# KiCad board JumperlessRev1.kicad_pcb (continued)
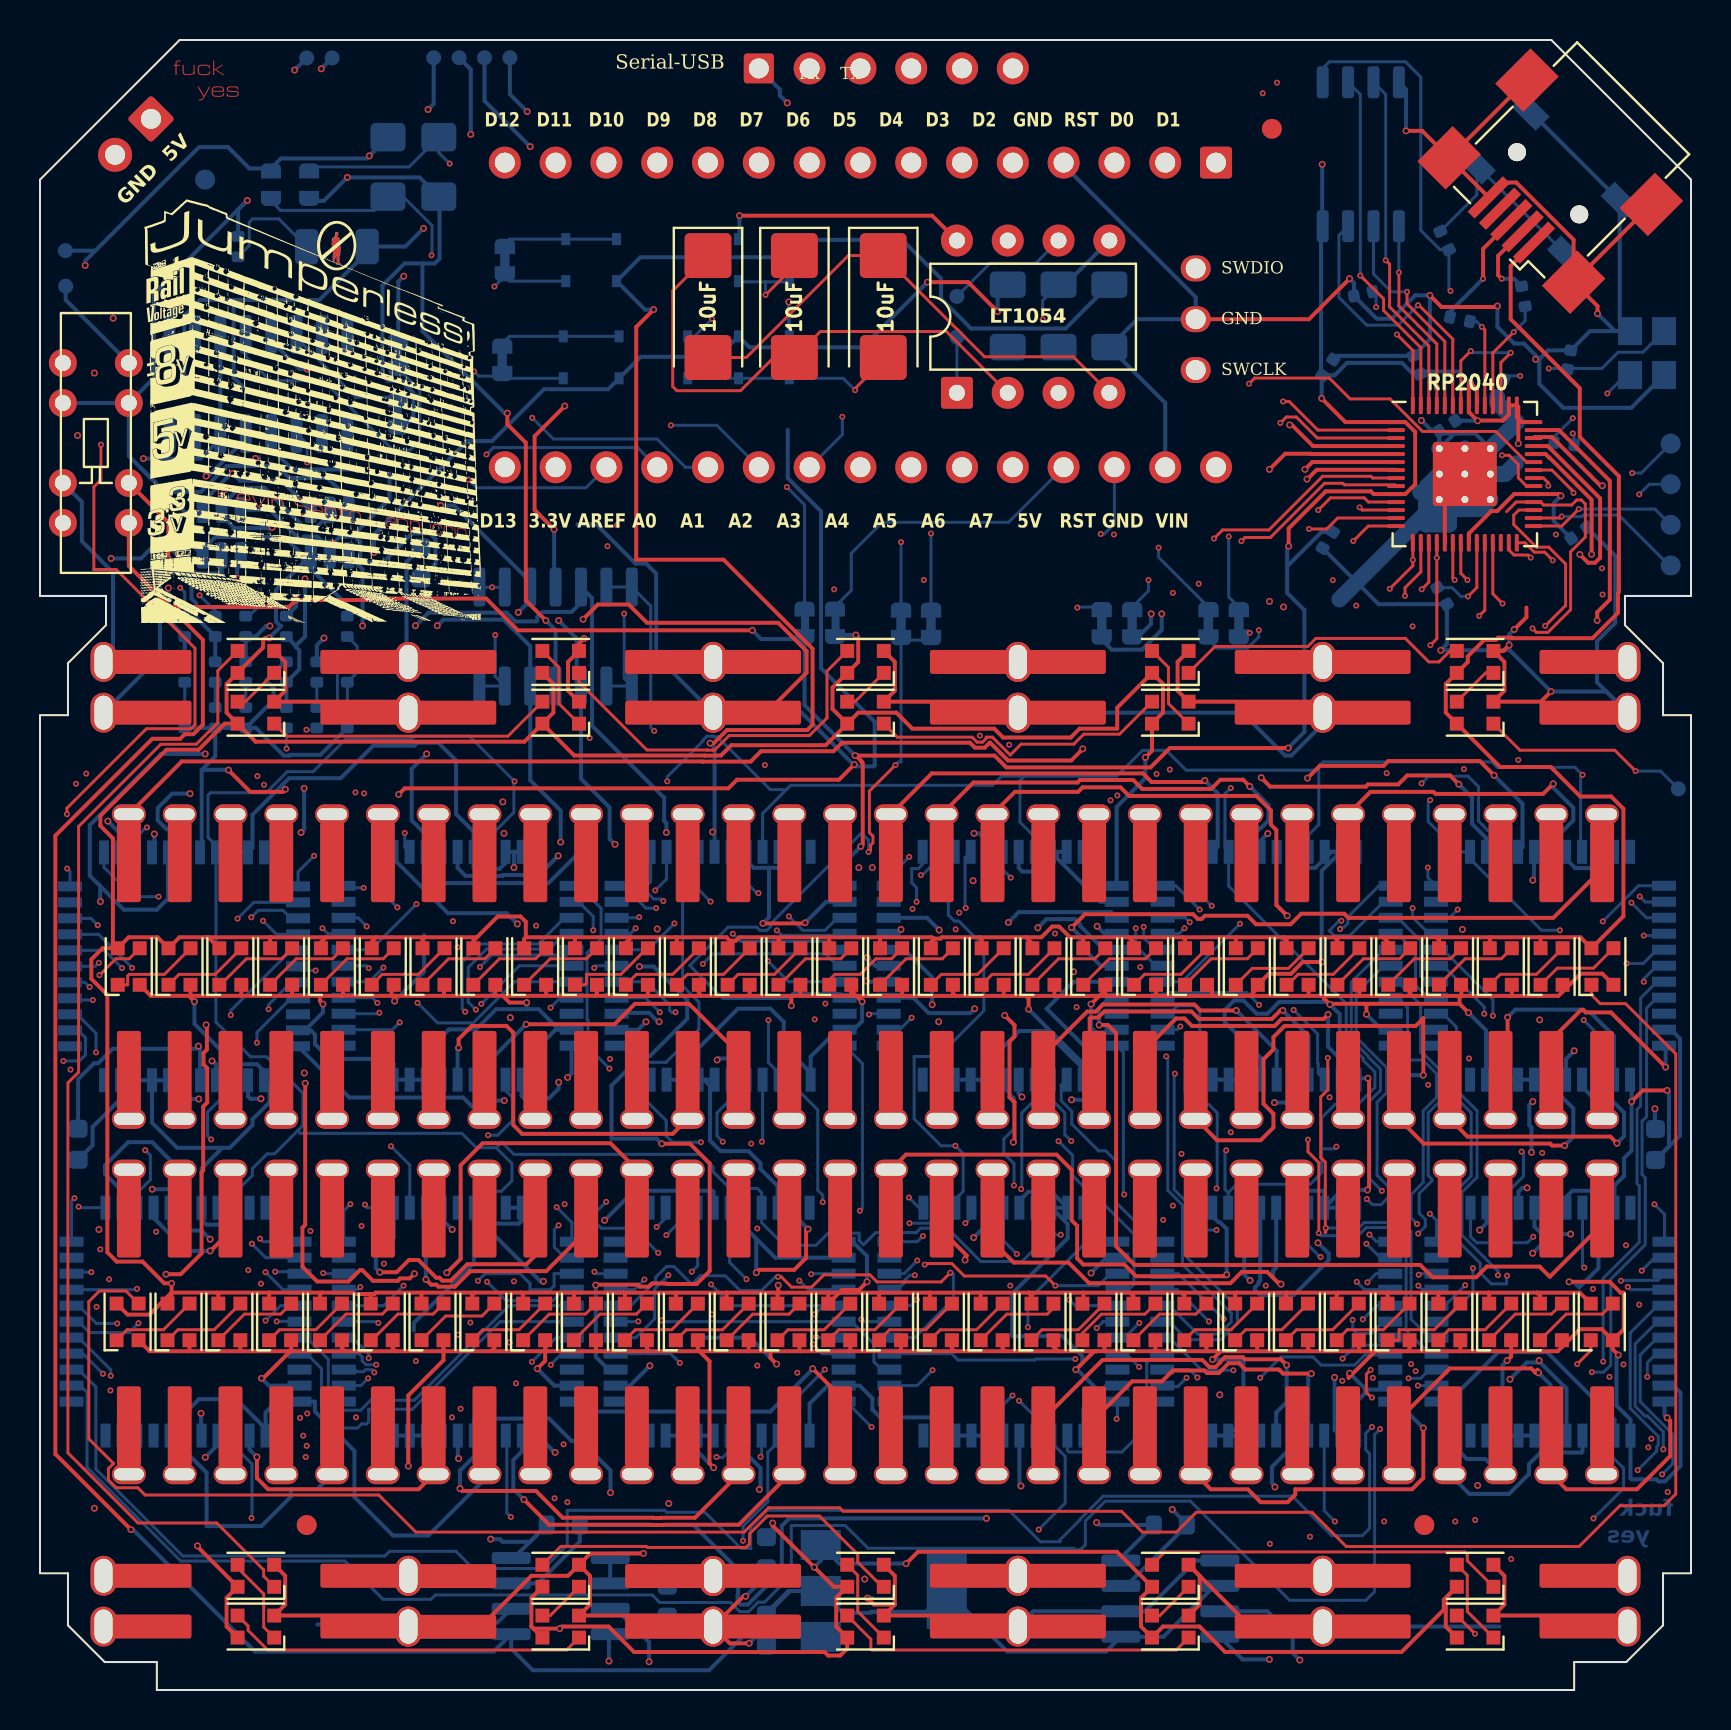
[diagram p0: board, top side]
## Routing (per net, layer and track width the routed paths; a pad name or vN(x,y) marks a point on that pad's centre or on a via; arc(x,y) is an arc through that point) (continued)
  In2.Cu w0.2: J4.46 J4.46
  Bottom w0.2: F5.13 24.09,11.93 23.66,11.5 23.66,10.06 v2(24.2,9.53)
46: length 34.2
  Top w0.2: J4.47 40,14.71 v2(38.63,16.08)
  In2.Cu w0.2: J4.47 J4.47
  Bottom w0.2: v2(38.63,16.08) 38.63,16.05 36.51,13.93 27.09,13.93 F5.11
47: length 40.6
  Top w0.2: J4.48 43.3,26.78 50.83,26.78 51.59,26.02 51.59,23.49 51.86,23.23 51.86,21.6 52.17,21.29 54.22,21.29 54.8,20.7 59.26,20.7 v2(59.33,20.78)
  In2.Cu w0.2: J4.48 42.55,19.09 42.53,19.11 42.53,20.39 42.55,20.41 J4.48
  Bottom w0.2: 58.61,23.72 58.92,23.41 58.99,23.41 59.33,23.07 v2(59.33,20.78)
48: length 41.5
  Top w0.2: J4.49 45.09,22.99 46.34,21.73 46.25,21.64 v2(46.25,21.51)
  In1.Cu w0.2: v2(46.25,21.51) 46.28,21.54 48.55,21.54 48.85,21.23 51.08,21.23 52.26,20.05 60.06,20.05 v2(60.5,20.49)
  In2.Cu w0.2: J4.49 45.09,21.57 43.79,20.27 42.88,20.27 42.88,19.25 43.13,19 43.13,12.75 J4.49
  Bottom w0.2: G1.37 60.21,20.78 v2(60.5,20.49)
49: length 38.7
  Top w0.2: J4.50 47.62,22.45 48.69,21.38 51.43,21.38 52.46,20.35 59.52,20.35 60.09,20.92 61.36,20.92 61.9,20.38 61.98,20.38 v2(62.05,20.3)
  In2.Cu w0.2: J4.50 J4.50
  Bottom w0.2: G1.39 61.81,21.14 61.65,20.98 61.65,20.63 61.9,20.38 61.98,20.38 v2(62.05,20.3)
50: length 35.7
  Top w0.2: J4.51 50.17,13.55 53.13,16.51 58.12,16.51 58.47,16.16 58.78,16.16 59,16.38 59,16.41 59.24,16.65 60.14,16.65 60.25,16.55 62.04,16.55 v2(62.33,16.26)
  In2.Cu w0.2: J4.51 J4.51
  Bottom w0.2: v2(62.33,16.26) 62.33,14.4 61.81,13.88 G1.17
51: length 33.2
  Top w0.2: v2(63.57,15.83) 62.16,15.83 61.95,16.03 60.27,16.03 59.95,16.35 59.43,16.35 58.94,15.86 58.34,15.86 58.22,15.99 56.64,15.99 56.1,15.44 54.61,15.44 52.7,13.54 J4.52
  In2.Cu w0.2: 52.98,25.76 52.98,18.82 52.43,18.28 52.43,11.07
  Bottom w0.2: v2(63.57,15.83) 63.41,15.68 G1.15
52: length 37
  Top w0.2: 55.25,14.12 J4.53
  In1.Cu w0.2: v2(64.73,15.64) 64.44,15.64 63.55,14.76 59,14.76 v2(58.99,14.77)
  In2.Cu w0.2: 55.47,25.81 55.47,17.35 54.23,16.1 54.23,11.81 J4.53 56,10.04 58.51,10.04 59.08,10.62 59.08,14.67 v2(58.99,14.77)
  Bottom w0.2: G1.13 64.73,13.01 v2(64.73,15.64)
53: length 32.7
  Top w0.2: v2(69.16,13.11) 69.16,10.6 68.61,10.04 62.76,10.04 62.76,9.78 62.38,9.4 61.04,9.4 60.39,10.04 58.53,10.04 J4.54
  In2.Cu w0.2: 58.04,25.78 58.04,16.31 58.79,15.56 57.78,14.55 J4.54
  Bottom w0.2: v2(69.16,13.11) 67.84,14.43
54: length 30.6
  In1.Cu w0.2: J4.55 61.87,24.49 65.3,24.49 65.76,24.04 67.29,24.04 67.33,24 67.62,24 68.33,24.71 70.28,24.71 v2(71.98,23.01)
  In2.Cu w0.2: J4.55 60.33,19.8 60.6,20.07 60.68,20.07 60.93,20.32 60.93,20.4 60.95,20.42 60.95,25.41 J4.55
  Bottom w0.2: H1.35 72.32,23.35 v2(71.98,23.01)
55: length 28.4
  In1.Cu w0.2: 63.53,26.03 64.28,26.78 71.49,26.78 71.92,26.35 71.92,25.66 72.46,25.12 v2(74.35,25.12)
  In2.Cu w0.2: 62.78,10.88 62.78,19.12 62.5,19.4 62.5,20.62 62.5,20.63 62.5,20.98 62.5,20.98 62.5,25.67
  Bottom w0.2: H1.37 73.92,24.93 74.12,25.12 v2(74.35,25.12)
56: length 30.8
  In1.Cu w0.2: v2(76.53,22.81) 76.12,22.81 74.3,24.63 72.46,24.63 71.83,25.27 67.32,25.27 67.22,25.37 66.55,25.37 66.53,25.39 66.22,25.39 66.19,25.37 66.16,25.37 66.16,25.37 66.07,25.37 J4.57
  In2.Cu w0.2: J4.57 64.69,25.32 64.69,24.19 64.71,24.16 64.71,20.95 64.32,20.55 64.32,17.61 64.31,17.6 64.31,17.55 64.14,17.38 64.14,16.38 64.32,16.2 64.32,11.88 J4.57
  Bottom w0.2: v2(76.53,22.81) 76.05,22.81 75.52,23.33 H1.39
57: length 31.5
  Top w0.2: J4.58 67.95,13.54 70.5,16.09 74.56,16.09 74.75,15.9 ; 74.75,15.9 74.88,16.03 ; 74.75,15.9 74.78,15.87 v2(74.93,15.87)
  In2.Cu w0.2: J4.58 69.95,24.03 69.95,21 70.15,20.8 70.15,13 J4.58
  Bottom w0.2: H1.17 75.52,15.27 v2(74.93,15.87)
58: length 25.3
  In2.Cu w0.2: J4.59 71.28,11.59 71.28,14.28 71.75,14.76 71.75,20.43 71.25,20.93 71.25,21.04 70.9,21.39 70.9,24.63 70.48,25.05 J4.59
  Bottom w0.2: J4.59 71.47,9.81 73.45,9.81 74.45,10.81 74.45,11.3 75.02,11.88 77.07,11.88 77.12,11.93 H1.15
59: length 32.2
  In2.Cu w0.2: J4.60 73.03,21.67 73.88,20.81 73.88,15.37 73.81,15.29 73.81,12.58 73.03,11.8 J4.60
  Bottom w0.2: J4.60 72.26,11.56 71.35,11.56 71.02,11.88 71.02,15.02 72.92,16.91 75.35,16.91 78.72,13.53 H1.13
60: length 26.4
  Top w0.2: v2(81.36,13.62) 81.51,13.46 81.51,11.71 79.85,10.04 76.31,10.04 J4.61
  In2.Cu w0.2: J4.61 75.56,21.52 74.81,22.28 74.34,22.28 74.26,22.36 74.26,23.06 75.56,24.36 J4.61
  Bottom w0.2: H1.11 81.22,13.75 v2(81.36,13.62)
61: length 58.3
  Top w0.2: J4.62 78.11,23.29 75.49,20.68 74.98,21.18 72.34,21.18 71.81,20.65 69.63,20.65 69.01,21.27 54.73,21.27 53.81,22.19 53.81,32.86 53.4,33.27 v2(52.96,33.27)
  In2.Cu w0.2: J4.62 78.11,15.95 77.76,16.3 77.76,19.61 78.11,19.96 J4.62
  Bottom w0.2: L1.8 53.48,34.63 52.96,34.11 v2(52.96,33.27)
/AB0: length 17.4
  In1.Cu w0.15: v1(16.33,38.2) 14.96,36.83 4.81,36.83 v1(4.1,36.12)
  Bottom w0.15: B1.31 15.9,38.63 v1(16.33,38.2) ; A2.29 3.22,37.01 v1(4.1,36.12)
/AB1: length 15.1
  In1.Cu w0.15: v1(14.12,38.11) 13.91,37.9 3.63,37.9 2.84,37.11 2.84,36.48 v1(2.94,36.38)
  Bottom w0.15: B1.30 14.4,37.83 v1(14.12,38.11) ; v1(2.94,36.38) 2.77,36.21 A2.28
/AC0: length 76.9
  In1.Cu w0.15: v1(2.31,45.85) 2.92,46.46 22.85,46.46 23.18,46.78 35.03,46.78 35.86,45.95 53.85,45.95 53.93,45.87 55.34,45.87 55.67,46.2 56.34,46.2 v1(56.49,46.05)
  In2.Cu w0.15: v1(2.31,45.85) 2.31,44.89 1.77,44.35 1.77,38.89 2.11,38.55 2.11,35.54 v1(2.48,35.17) ; v1(56.49,46.05) 56.62,45.92 56.62,39.28 v1(57.49,38.41)
  Bottom w0.15: v1(57.49,38.41) 57.26,38.64 C26.31 ; v1(2.48,35.17) 2.25,35.41 A2.27
/AC1: length 77.4
  In1.Cu w0.15: v1(55.83,45.83) 55.62,45.62 53.82,45.62 53.74,45.7 35.76,45.7 34.93,46.53 23.28,46.53 22.95,46.2 10.64,46.2 9.76,45.32 1.82,45.32 v1(1.8,45.34)
  In2.Cu w0.15: v1(1.8,45.34) 0.98,44.52 0.98,40.94 1.14,40.79 1.14,36.02 v1(2.64,34.52) ; v1(57.23,38.11) 56.32,39.02 56.32,45.34 v1(55.83,45.83)
  Bottom w0.15: C26.30 56.95,37.84 v1(57.23,38.11) ; v1(2.64,34.52) 1.59,34.52
/AD0: length 80.1
  In1.Cu w0.15: v1(71.2,46.08) 70.55,46.72 58.89,46.72 57.55,45.37 53.72,45.37 53.64,45.45 32.53,45.45 31.7,46.28 23.39,46.28 23.06,45.95 11.1,45.95 v1(10.87,45.72)
  In2.Cu w0.15: v1(10.57,38.66) 10.6,38.69 10.6,45.52 10.74,45.67 10.82,45.67 v1(10.87,45.72) ; v1(70.88,39.05) 71.68,39.84 71.68,45.59 v1(71.2,46.08)
  Bottom w0.15: 12.55,38.61 12.15,39.01 10.91,39.01 v1(10.57,38.66) ; D70.31 70.47,38.64 v1(70.88,39.05)
/AD1: length 75.7
  In1.Cu w0.15: v1(11.2,45.29) 11.62,45.7 23.16,45.7 23.49,46.03 31.6,46.03 32.43,45.2 53.54,45.2 53.62,45.12 54.62,45.12 55.02,44.73 66.2,44.73 v1(67.33,45.87)
  In2.Cu w0.15: v1(67.33,45.87) 67.33,45.82 69.02,44.14 69.02,41.7 68.63,41.31 v1(68.63,39.12) ; v1(11.15,38.48) 10.99,38.64 10.99,45.08 v1(11.2,45.29)
  Bottom w0.15: v1(11.15,38.48) 11.83,37.81 A2.4 ; 69.45,37.84 68.63,38.66 v1(68.63,39.12)
/AE0: length 25.6
  In1.Cu w0.15: v1(1.52,31.04) 1.52,31.13 4.48,34.09 9.22,34.09 v1(9.54,33.77)
  In2.Cu w0.15: v1(1.52,31.04) 1.52,24.97 1.29,24.73 1.29,22.18 v1(2.57,20.9)
  Bottom w0.15: v1(9.54,33.77) 9.54,33.99 12.55,37.01 ; v1(2.57,20.9) 1.65,20.9
/AF0: length 17.4
  In2.Cu w0.15: v1(11.43,34.06) 12.09,33.4 12.09,30.66 13.14,29.61 13.14,25.73 12.93,25.52 12.93,22.09 v1(14.16,20.86)
  Bottom w0.15: F5.31 14.19,20.83 v1(14.16,20.86) ; v1(11.43,34.06) 11.43,34.28 12.55,35.41
/AF1: length 22.3
  In1.Cu w0.15: v1(11.05,20.33) 11.46,19.92 15.77,19.92 v1(16.01,20.16)
  In2.Cu w0.15: v1(10.85,32.38) 10.85,30.38 11.45,29.78 11.45,29.35 10.85,28.75 10.85,25.48 10.15,24.78 10.15,21.78 10.77,21.16 10.77,20.61 v1(11.05,20.33)
  Bottom w0.15: 12.55,34.61 10.85,32.9 v1(10.85,32.38) ; F5.30 15.88,20.03 v1(16.01,20.16)
/AG0: length 76.1
  In1.Cu w0.15: v1(59.18,18.57) 58.56,19.19 54.69,19.19 54.26,18.76 52.61,18.76 52.29,18.44 50.35,18.44 50.35,18.44 49.78,19 48.35,19 48.17,18.83 43.27,18.83 42.62,19.47 42.4,19.47 42.39,19.48 40.84,19.48 40.61,19.71 40.33,19.71 40.03,19.41 4.6,19.41 v1(3.45,20.55)
  In2.Cu w0.15: v1(3.45,20.55) 2.29,21.72 2.29,24.33 2.06,24.55 2.06,31.16 v1(2.8,31.9)
  Bottom w0.15: G1.31 56.92,20.83 v1(59.18,18.57) ; v1(2.8,31.9) 2.8,32.86 1.85,33.81
/AG1: length 75.7
  In1.Cu w0.15: v1(58.45,18.44) 57.95,18.94 54.81,18.94 54.38,18.51 52.71,18.51 52.4,18.19 50.07,18.19 50.07,18.36 49.68,18.75 48.45,18.75 48.27,18.58 43.17,18.58 42.52,19.22 42.3,19.22 42.29,19.23 40.74,19.23 40.51,19.46 40.44,19.46 40.14,19.16 2.84,19.16 v1(2.83,19.17)
  In2.Cu w0.15: v1(1.17,31.47) 1.04,31.34 1.04,20.96 v1(2.83,19.17)
  Bottom w0.15: v1(58.45,18.44) 56.86,20.03 G1.30 ; v1(1.17,31.47) 1.97,31.47 2.28,31.78 2.28,32.63 1.9,33.01
/AH0: length 78.7
  In1.Cu w0.15: v1(68.94,20.78) 68.72,20.78 68.45,21.05 63.93,21.05 63.2,21.78 57.35,21.78 57.3,21.73 56.12,21.73 55.11,22.75 53.63,22.75 53.33,22.45 48.46,22.45 48.23,22.22 44.58,22.22 44.46,22.34 43.56,22.34 43.52,22.38 32.24,22.38 31.32,21.46 30.86,21.46 30.79,21.53 17.4,21.53 v1(17.2,21.33)
  In2.Cu w0.15: v1(17.2,21.33) 14.86,23.67 14.86,24.51 15.68,25.33 15.68,38.68 13.7,40.66 v1(13.7,41.73)
  Bottom w0.15: v1(13.7,41.73) 12.9,40.93 A2.1 ; H1.31 68.99,20.83 v1(68.94,20.78)
/AH1: length 83.8
  In1.Cu w0.15: v1(10.41,21.01) 10.72,21.31 15.72,21.31 16.56,20.47 17.37,20.47 18.19,21.28 30.68,21.28 30.76,21.21 31.45,21.21 32.37,22.14 43.41,22.14 43.46,22.09 44.35,22.09 44.48,21.97 48.47,21.97 48.67,22.17 53.4,22.17 53.73,22.5 55.01,22.5 56.02,21.48 57.4,21.48 57.45,21.53 63.1,21.53 63.83,20.8 68.35,20.8 v1(68.92,20.23)
  In2.Cu w0.15: v1(9.88,38.6) 9.92,38.55 9.92,30.26 10.22,29.97 10.22,29.89 10.6,29.51 10.6,25.73 9.85,24.98 9.85,21.57 v1(10.41,21.01)
  Bottom w0.15: H1.30 69.12,20.03 v1(68.92,20.23) ; v1(9.88,38.6) 10.69,39.41 A2.2
/BC0: length 59.6
  In1.Cu w0.15: v1(15.77,44.91) 16.31,45.44 23.38,45.44 23.4,45.47 23.4,45.59 23.59,45.78 31.5,45.78 32.33,44.95 53.43,44.95 53.51,44.87 53.75,44.87 v1(53.87,44.75)
  In2.Cu w0.15: v1(17.17,36.14) 17.17,37.87 15.87,39.17 15.54,39.17 15.35,39.37 15.35,40.74 15.77,41.17 v1(15.77,44.91) ; v1(53.87,44.75) 54.15,44.47 54.15,44.31 54.17,44.29 54.17,44.12 54.17,44.12 54.17,43.51 54.17,43.51 54.17,39.95 55.09,39.04 55.09,38.97 55.18,38.87 v1(55.18,38.18)
  Bottom w0.15: 55.78,37.04 55.18,37.64 v1(55.18,38.18) ; v1(17.17,36.14) 16.46,35.43 B1.27
/BC1: length 60.7
  In1.Cu w0.15: v1(16.21,44.86) 16.54,45.19 23.09,45.19 23.57,44.7 53.33,44.7 v1(53.53,44.51)
  In2.Cu w0.15: v1(54.79,38.11) 54.79,38.91 53.87,39.83 53.87,44.16 v1(53.53,44.51) ; v1(16.87,34.38) 17.83,35.35 17.83,37.57 15.67,39.73 15.67,40.64 16.07,41.04 16.07,44.72 v1(16.21,44.86)
  Bottom w0.15: v1(16.87,34.38) 16.61,34.63 B1.26 ; 55.78,36.24 54.79,37.23 v1(54.79,38.11)
/BD0: length 66.5
  In1.Cu w0.15: v1(21.26,33.93) 22.54,32.65 24.66,32.65 24.68,32.68 30.28,32.68 30.56,32.4 31.88,32.4 32.25,32.77 32.25,32.77 33.06,33.59 34.78,33.59 35.9,32.46 55.76,32.46 55.8,32.42 71.34,32.42 v1(72.64,33.73)
  Bottom w0.15: 70.15,37.04 72.64,34.54 v1(72.64,33.73) ; v1(21.26,33.93) 21.11,34.08 21.11,36.43 22.01,37.33 24.92,37.33 26.23,38.63
/BD1: length 63.5
  In1.Cu w0.15: v1(72.21,33.83) 71.05,32.67 55.9,32.67 55.86,32.71 36.12,32.71 35,33.84 32.96,33.84 32,32.88 32,32.87 31.78,32.65 30.66,32.65 30.39,32.93 24.58,32.93 24.56,32.9 22.92,32.9 v1(21.79,34.04)
  Bottom w0.15: 70.15,36.24 72.21,34.17 v1(72.21,33.83) ; 26.23,37.83 25.46,37.07 22.33,37.07 21.41,36.15 21.41,34.42 v1(21.79,34.04)
/BE0: length 44
  In1.Cu w0.15: v1(3.86,18.34) 4.57,17.63 11.2,17.63 11.28,17.56 20.69,17.56 v1(20.91,17.78)
  In2.Cu w0.15: v1(22,36.17) 20.9,35.07 20.9,32.73 21.33,32.3 21.33,31.94 20.9,31.51 20.9,23.39 21.01,23.28 21.01,17.87 v1(20.91,17.78)
  Bottom w0.15: v1(22,36.17) 22.6,36.77 26.32,36.77 B1.5 ; 1.93,19.23 2.82,18.34 v1(3.86,18.34)
/BE1: length 42.3
  In1.Cu w0.15: v1(21.52,18.38) 20.21,18.38 19.63,17.81 11.38,17.81 10.83,18.35 v1(4.93,18.35)
  In2.Cu w0.15: v1(22.07,34.33) 22.17,34.22 22.17,29.9 21.15,28.88 21.15,23.56 21.52,23.19 v1(21.52,18.38)
  Bottom w0.15: 1.93,18.43 2.48,17.88 4.46,17.88 v1(4.93,18.35) ; B1.6 23.97,36.23 v1(22.07,34.33)
/BF0: length 27
  In2.Cu w0.15: v1(18.18,20.23) 18.18,20.36 17.96,20.57 17.96,25.44 18.22,25.7 18.22,28.91 18.88,29.56 v1(18.88,34.38)
  Bottom w0.15: B1.7 23.72,35.43 21.66,33.38 19.88,33.38 v1(18.88,34.38) ; F5.29 17.18,19.23 v1(18.18,20.23)
/BG0: length 61.7
  In1.Cu w0.15: v1(56.31,31.7) 55.84,32.17 55.69,32.17 55.65,32.21 35.8,32.21 34.68,33.34 33.17,33.34 32.65,32.82 32.65,32.82 31.99,32.15 30.46,32.15 30.18,32.43 24.79,32.43 24.76,32.4 22.28,32.4 20.68,34.01 17.09,34.01 v1(16.97,33.88)
  Bottom w0.15: v1(56.31,31.7) 56.39,31.62 56.39,25 57.12,24.26 57.12,21.29 59.56,18.85 59.56,18.41 58.96,17.81 57.89,17.81 56.46,19.23 ; B1.25 16.92,33.83 v1(16.97,33.88)
/BG1: length 61.8
  In1.Cu w0.15: v1(17.98,33.4) 19.66,31.72 24.79,31.72 24.99,31.93 28.88,31.93 29.15,31.65 32.19,31.65 33.35,32.81 34.5,32.81 35.59,31.71 55.45,31.71 56.33,30.84 v1(56.74,30.84)
  Bottom w0.15: v1(56.74,30.84) 56.71,30.8 56.71,25.03 57.37,24.37 57.37,21.62 59.87,19.13 59.87,18.36 59.03,17.53 57.36,17.53 56.46,18.43 ; v1(17.98,33.4) 17.62,33.03 B1.24
/BH0: length 65.8
  In1.Cu w0.15: v1(28.47,31.09) 32.33,31.09 33.55,32.31 34.29,32.31 35.88,30.72 55.66,30.72 56.21,30.18 57.25,30.18 58.06,30.99 64.77,30.99 65,31.22 67.97,31.22 69.01,30.18 69.31,30.18 v1(69.41,30.28)
  In2.Cu w0.15: v1(71.26,20.25) 70.92,20.59 70.92,20.91 70.57,21.26 70.57,24.5 69.41,25.66 v1(69.41,30.28)
  Bottom w0.15: 26.93,40.23 28.05,39.11 28.05,37.58 27.35,36.88 27.35,33.56 27.4,33.51 27.4,32.16 v1(28.47,31.09) ; 70.24,19.23 v1(71.26,20.25)
/BH1: length 67.8
  In1.Cu w0.15: v1(71.45,31.6) 64.92,31.6 64.56,31.24 57.84,31.24 57.02,30.42 56.31,30.42 55.32,31.42 35.54,31.42 34.4,32.56 33.45,32.56 32.24,31.35 28.72,31.35 v1(28.5,31.57)
  In2.Cu w0.15: v1(27.66,38.01) 28.84,36.83 28.84,31.92 v1(28.5,31.57) ; v1(71.65,21.1) 71.22,21.52 71.22,24.57 71.56,24.91 71.56,31.49 v1(71.45,31.6)
  Bottom w0.15: 70.17,18.43 71.65,19.9 v1(71.65,21.1) ; 26.93,39.43 27.66,38.7 v1(27.66,38.01)
/CD0: length 3.8
  Bottom w0.15: 67.88,38.64 69.03,37.49 69.03,35.72 69.31,35.44
/CD1: length 3.8
  Bottom w0.15: 67.88,37.84 68.78,36.94 68.78,35.26 69.4,34.64
/CE0: length 92.3
  In1.Cu w0.15: v1(3.54,15.72) 4.41,14.85 20.6,14.85 20.69,14.94 21.41,14.94 21.7,14.65 34.56,14.65 34.89,14.32 40.39,14.32 40.85,14.77 47.89,14.77 48.24,15.12 49.22,15.12 49.35,14.99 53.97,14.99 54.88,14.08 63.89,14.08 64.32,14.51 65.53,14.51 v1(66.64,15.62)
  In2.Cu w0.15: v1(66.64,15.62) 67.16,16.13 67.16,20.22 65.71,21.66 65.71,22.94 67.12,24.34 67.12,24.94 v1(67.09,24.97)
  Bottom w0.15: v1(67.09,24.97) 66.48,25.58 66.48,29.46 67.03,30 67.03,31.06 66.43,31.66 66.43,31.69 65.56,32.55 65.56,35.41 67.18,37.04 ; 1.93,17.63 3.54,16.02 v1(3.54,15.72)
/CE1: length 91.1
  In1.Cu w0.15: v1(65.12,15.47) 64.86,15.22 64.68,15.22 63.79,14.33 54.99,14.33 53.95,15.37 48.14,15.37 47.79,15.02 40.74,15.02 40.29,14.57 35,14.57 34.67,14.9 21.81,14.9 21.51,15.19 20.59,15.19 20.5,15.1 16.4,15.1 15.27,16.23 3.15,16.23 v1(3.15,15.82)
  In2.Cu w0.15: v1(66.34,24.56) 65.04,23.26 65.04,20.61 64.8,20.38 64.8,17.64 64.44,17.27 64.44,16.54 65.12,15.86 v1(65.12,15.47)
  Bottom w0.15: E1.26 2.14,16.83 v1(3.15,15.82) ; 67.18,36.24 65.81,34.86 65.81,32.66 67.32,31.14 67.32,29.88 66.85,29.41 66.85,25.75 67.43,25.18 67.43,24.65 67.06,24.28 66.62,24.28 v1(66.34,24.56)
/CF0: length 76.9
  In1.Cu w0.15: v1(68.55,16.31) 67.37,17.49 52.53,17.49 52.33,17.69 49.83,17.69 49.5,17.36 44.12,17.36 44.1,17.33 44.02,17.33 43.95,17.26 39.68,17.26 39.19,16.76 38.43,16.76 37.85,17.34 24.28,17.34 23.49,16.55 19.45,16.55 19,16.1 18.64,16.1 18.14,16.6 v1(16.43,16.6)
  In2.Cu w0.15: v1(68.91,22.83) 69.32,22.42 69.32,17.08 v1(68.55,16.31)
  Bottom w0.15: v1(68.91,22.83) 69.27,23.19 69.27,23.55 68.96,23.85 68.96,24.84 69.59,25.47 69.59,25.55 69.41,25.73 69.41,28.88 70.08,29.54 70.08,30.93 69.24,31.77 69.17,31.77 69.03,31.91 69.03,34.29 67.88,35.44 ; 15.62,17.63 16.43,16.81 v1(16.43,16.6)
/CF1: length 77.2
  In1.Cu w0.15: v1(16.81,16.28) 17.24,15.85 19.11,15.85 19.55,16.3 23.59,16.3 24.39,17.09 36.55,17.09 37.14,16.51 39.34,16.51 39.84,17.01 44.05,17.01 44.13,17.08 44.2,17.08 44.23,17.11 49.6,17.11 49.93,17.44 52.23,17.44 52.43,17.24 67.09,17.24 68.38,15.95 v1(68.78,15.95)
  In2.Cu w0.15: v1(68.85,23.32) 68.96,23.32 69.62,22.65 69.62,16.79 v1(68.78,15.95)
  Bottom w0.15: v1(68.85,23.32) 68.56,23.61 68.56,24.79 69.16,25.39 69.16,28.98 69.82,29.64 69.82,30.84 69.14,31.52 68.38,31.52 68.38,34.14 67.88,34.64 ; F5.26 15.94,16.83 16.11,16.66 16.11,16.47 16.3,16.28 v1(16.81,16.28)
/CG0: length 26
  In2.Cu w0.15: v1(58.83,25.1) 59.59,24.33 59.59,22.35 58.8,21.56 58.8,16.86 v1(59.67,15.99)
  Bottom w0.15: 56.46,17.63 58.1,15.99 v1(59.67,15.99) ; 56.48,33.84 56.88,34.24 57.81,34.24 57.99,34.06 57.99,32.28 57.25,31.55 57.25,29.92 57.87,29.3 58.44,29.3 58.86,28.88 58.86,25.13 v1(58.83,25.1)
/CH0: length 29.6
  Top w0.15: v1(64.39,31.62) 64.39,30.02 64.03,29.67 64.03,26.65 64.26,26.41 64.26,22.89 64.29,22.91 v1(64.29,23.11)
  In2.Cu w0.15: v1(65,38.07) 65.11,37.96 65.11,34.42 64.88,34.19 64.88,32.12 v1(64.39,31.62)
  Bottom w0.15: v1(65,38.07) 65,38.16 65.2,38.16 65.39,38.35 65.39,38.62 65.36,38.65 66.95,40.24 67.13,40.24 ; 69.47,17.63 68.56,18.55 68.56,20.88 68.55,22.94 68.11,23.39 66.21,23.39 65.94,23.11 v1(64.29,23.11)
/CH1: length 32.4
  Top w0.15: v1(63.94,22.86) 63.94,26.39 63.4,26.93 v1(63.4,27.53)
  In1.Cu w0.15: v1(63.4,27.53) 64.33,28.47 64.33,29.5 v1(64.48,29.65)
  In2.Cu w0.15: v1(65.07,38.49) 65.55,38 65.55,35.2 65.41,35.06 65.41,30.59 v1(64.48,29.65)
  Bottom w0.15: v1(65.07,38.49) 64.96,38.49 64.46,37.99 64.71,37.74 65.49,37.74 67.18,39.44 ; v1(63.94,22.86) 64.07,22.73 65.91,22.73 66.31,23.14 67.92,23.14 68.31,22.75 68.31,18 69.47,16.83
/DE0: length 99.4
  In1.Cu w0.15: v1(13.36,13.84) 13.92,13.28 24.22,13.28 24.34,13.4 34.05,13.4 34.38,13.07 40.91,13.07 41.36,13.52 41.76,13.52 42.06,13.22 49.36,13.22 50.05,13.91 53.99,13.91 54.57,13.33 64.2,13.33 64.63,13.76 76.56,13.76 v1(78.47,15.67)
  In2.Cu w0.15: v1(79.32,36.35) 78.86,35.89 78.86,29.66 78.85,29.65 78.85,29.2 79.18,28.88 79.18,28.75 79.25,28.68 79.25,25.8 78.54,25.09 78.54,15.73 v1(78.47,15.67) ; v1(11.76,20.93) 13.26,19.43 13.26,13.94 v1(13.36,13.84)
  Bottom w0.15: v1(79.32,36.35) 80.16,36.35 80.85,37.04 ; v1(11.76,20.93) 12.88,20.93
/DE1: length 104.4
  In1.Cu w0.15: v1(80.42,12.14) 38.91,12.14 38.23,12.82 34.27,12.82 33.94,13.15 25.3,13.15 25.14,13 13.62,13 v1(13,13.61)
  In2.Cu w0.15: v1(80.42,12.14) 78.97,13.58 78.97,15.34 80.37,16.74 80.37,20.19 79.65,20.9 79.65,21.29 80.29,21.92 80.29,29.84 80.19,29.94 v1(80.19,35.43) ; v1(11.28,20.9) 13,19.18 v1(13,13.61)
  Bottom w0.15: E1.4 12.15,20.03 v1(11.28,20.9) ; v1(80.19,35.43) 80.19,35.57 80.85,36.24
/DF0: length 93.7
  In1.Cu w0.15: v1(78.16,16.43) 78.16,15.75 76.41,14.01 64.53,14.01 64.1,13.58 54.68,13.58 54.09,14.16 49.95,14.16 49.25,13.47 42.16,13.47 41.86,13.77 41.25,13.77 40.81,13.32 34.48,13.32 34.15,13.65 20.61,13.65 v1(20.6,13.64)
  In2.Cu w0.15: v1(20.6,13.64) 20.6,16.79 21.9,18.09 v1(21.9,20.47)
  Bottom w0.15: 80.85,35.44 80.03,34.61 80.03,29.22 79.85,29.05 79.85,25.33 79.96,25.22 79.96,22.4 78.16,20.6 v1(78.16,16.43) ; v1(21.9,20.47) 22.25,20.83 24,20.83 24.5,20.33 24.5,20.02 25.51,20.02 25.7,20.22 25.7,20.83 F5.3
/DF1: length 90.4
  In1.Cu w0.15: v1(21.03,14.07) 21.2,13.9 34.25,13.9 34.58,13.57 40.7,13.57 41.15,14.02 48.34,14.02 48.59,13.77 49.12,13.77 49.77,14.41 54.2,14.41 54.78,13.83 63.99,13.83 64.42,14.26 75.95,14.26 v1(77.59,15.9)
  In2.Cu w0.15: v1(22.35,20.42) 22.35,17.18 21.03,15.86 v1(21.03,14.07)
  Bottom w0.15: v1(22.35,20.42) 23.32,19.45 23.35,19.48 25.64,19.48 26.19,20.03 ; v1(77.59,15.9) 78.18,15.9 78.54,16.26 78.54,20.55 80.26,22.28 80.26,25.63 80.1,25.79 80.1,28.46 80.33,28.69 80.33,34.11 80.85,34.64
/DG0: length 23.5
  In1.Cu w0.15: v1(66.37,20.4) 67.18,19.58 71.63,19.58 72.8,20.75 v1(72.9,20.75)
  Bottom w0.15: v1(66.37,20.4) 66.8,20.83 G1.3 ; 70.15,33.84 70.83,33.16 70.83,30.01 71.85,28.98 71.85,25.66 71.1,24.91 71.1,22.76 72.9,20.96 v1(72.9,20.75)
/DG1: length 26.1
  In1.Cu w0.15: v1(73.36,20.73) 73.36,20.35 73.33,20.32 72.72,20.32 71.73,19.33 66.92,19.33 v1(65.84,20.42)
  Bottom w0.15: v1(65.84,20.42) 66.23,20.03 G1.4 ; v1(73.36,20.73) 73.33,20.7 73.33,20.32 72.56,20.32 72.01,20.87 72.01,21.35 70.85,22.51 70.85,25.01 71.56,25.72 71.56,28.88 70.58,29.86 70.58,32.61 70.15,33.04
/DH0: length 26.9
  In1.Cu w0.15: v1(79.04,20.47) 78.64,20.07 v1(77.65,20.07)
  In2.Cu w0.15: v1(78.14,38.45) 78.14,30 76.94,28.81 76.94,25.74 77.65,25.04 v1(77.65,20.07)
  Bottom w0.15: v1(79.04,20.47) 79.07,20.49 80.89,20.49 H1.3 ; v1(78.14,38.45) 79.92,40.24 D70.1
/EF0: length 18.4
  Bottom w0.15: F5.5 23.45,19.23 18.72,14.5 16.53,14.5 16.03,14 14.5,14 14.42,14.08 14.42,16.54 13.33,17.63
/EF1: length 18.6
  Bottom w0.15: F5.6 23,18.43 18.62,14.05 16.43,14.05 16.43,13.41 16.33,13.31 16.08,13.31 15.88,13.11 15.04,13.11 14.07,14.07 14.07,16.08 13.33,16.83
/EG0: length 91.3
  Top w0.15: v1(66.6,14.63) 66.57,14.66 66.55,14.66 66.32,14.88 66.32,15.81 v1(66.53,16.02)
  In2.Cu w0.15: v1(66.6,13.16) 66.5,13.26 66.5,14.55 66.57,14.63 v1(66.6,14.63) ; v1(66.14,18.54) 66.5,18.19 66.5,16.18
  Bottom w0.15: 1.93,16.03 2.79,15.16 2.79,11.05 7.14,6.71 17.25,6.71 17.48,6.94 20.8,6.94 21.64,6.1 22.56,6.1 22.58,6.08 25.18,6.08 26.36,7.26 26.36,8.99 31.23,8.99 31.33,8.89 33.25,8.89 35.05,7.09 35.53,7.09 35.53,8.15 36.37,8.99 48.44,8.99 50.02,7.42 51,7.42 51,7.52 52.02,8.53 52.02,8.56 53.16,9.7 62.61,9.7 64.59,7.72 66.12,7.72 66.48,8.09 66.48,11.83 66.29,12.02 66.29,12.84 v1(66.6,13.16) ; G1.5 66.83,19.23 66.09,18.49 66.09,18.62 66.09,18.59 v1(66.14,18.54)
/EG1: length 96.1
  In2.Cu w0.15: v1(65.63,18.52) 65.63,18.37 66.19,17.81 66.19,16.4 66.14,16.35 66.14,15.63 67.01,14.76 v1(67.01,13.06)
  Bottom w0.15: 67.16,18.43 66.57,17.84 65.86,17.84 65.63,18.06 v1(65.63,18.52) ; 2.02,15.23 2.35,14.89 2.35,11.14 7.04,6.45 15.24,6.45 17.15,4.54 19.55,4.54 19.77,4.76 30.61,4.76 30.99,4.38 34.53,4.38 34.99,3.92 35.43,3.92 35.91,4.39 36.23,4.39 37.57,5.73 37.57,8.23 40.26,8.23 41.4,7.09 51.69,7.09 51.77,7.02 52.02,7.02 52.27,7.27 52.27,8.46 53.26,9.45 57.52,9.45 62.48,4.49 66.29,4.49 66.73,4.93 66.73,12.78 v1(67.01,13.06)
/EH0: length 91.3
  In1.Cu w0.15: v1(79.88,11) 79.36,11.52 37.02,11.52 36.22,12.32 34.07,12.32 33.74,12.65 25.88,12.65 25.51,12.28 13.4,12.28 v1(13.34,12.22)
  In2.Cu w0.15: v1(11,22.58) 11.15,22.58 13.86,19.87 13.86,14.35 14.14,14.06 14.14,13.03 v1(13.34,12.22)
  Bottom w0.15: E1.1 11.15,22.43 v1(11,22.58) ; 80.87,19.23 79.51,17.87 79.51,14.09 80.91,12.69 80.91,12.25 80.84,12.18 80.84,11.95 v1(79.88,11)
/EH1: length 90.5
  In1.Cu w0.15: v1(81.16,12.04) 80.71,11.58 80.21,11.58 79.98,11.81 38.58,11.81 37.82,12.57 34.17,12.57 33.84,12.9 25.78,12.9 25.6,12.73 v1(13.16,12.73)
  In2.Cu w0.15: v1(13.16,12.73) 13.84,13.41 13.84,13.94 13.56,14.22 13.56,19.74 12.02,21.29 11.63,21.29 v1(10.59,22.33)
  Bottom w0.15: 80.87,18.43 79.76,17.32 79.76,14.2 80.25,13.71 80.38,13.71 81.16,12.92 v1(81.16,12.04) ; E1.2 11.29,21.63 v1(10.59,22.33)
/FG0: length 55.4
  In1.Cu w0.15: v1(65.13,16.58) 65.05,16.66 59.38,16.66 58.37,15.65 58.37,15.62 58.01,15.27 57.18,15.27 55.7,16.74 52.22,16.74 52.02,16.94 50.14,16.94 49.81,16.61 44.43,16.61 44.41,16.58 44.36,16.58 44.28,16.51 40.48,16.51 39.47,15.49 35.79,15.49 35.64,15.65 24.46,15.65 24.06,16.05 20.19,16.05 19.74,15.6 17.01,15.6 v1(16.72,15.89)
  Bottom w0.15: v1(16.72,15.89) 16.72,15.95 16.68,15.95 16.61,16.03 16.28,16.03 16.18,15.93 15.85,15.93 15.75,16.03 F5.25 ; v1(65.13,16.58) 65.8,17.25 67.14,17.25 G1.7
/FG1: length 55.7
  In1.Cu w0.15: v1(61.01,15.62) 60.48,15.09 59.45,15.09 59.37,15.17 58.82,15.17 58.59,14.94 58.59,14.8 58.37,14.58 55.09,14.58 54.05,15.62 45.8,15.62 45.06,16.36 44.54,16.36 44.51,16.33 44.46,16.33 44.38,16.26 40.97,16.26 39.78,15.07 35.86,15.07 35.53,15.4 24.35,15.4 23.95,15.8 20.85,15.8 20.85,15.8 20.4,15.35 16.66,15.35 v1(16.41,15.6)
  Bottom w0.15: F5.24 16.04,15.23 v1(16.41,15.6) ; v1(61.01,15.62) 62.05,16.66 63.65,16.66 64.06,16.26 65.74,16.26 66.24,16.76 67.45,16.76
/FH0: length 81.5
  In1.Cu w0.15: v1(81.11,10.79) 80,9.68 64.19,9.68 63.94,9.43 48.56,9.43 48.27,9.72 42.16,9.72 41.87,9.43 31.9,9.43 31.6,9.73 31.27,9.73 30.94,9.4 v1(26.37,9.4)
  In2.Cu w0.15: v1(26.37,9.4) 26.16,9.61 26.16,11.06 26.85,11.76 26.85,23.13 v1(25.83,24.16)
  Bottom w0.15: v1(25.83,24.16) 26.59,23.4 F5.1 ; v1(81.11,10.79) 81.64,11.32 81.64,12.8 80.01,14.43 80.01,16.77 80.87,17.63
/FH1: length 80.8
  In1.Cu w0.15: v1(81.38,9.91) 80.9,9.42 80.58,9.42 80.55,9.38 71.76,9.38 71.68,9.31 69.88,9.31 69.43,8.86 57.01,8.86 56.78,8.63 53.16,8.63 53.01,8.78 52.64,8.78 52.64,8.78 48.29,8.78 48,9.07 42.43,9.07 42.14,8.78 35.32,8.78 35.3,8.8 26.44,8.8 25.73,9.51 v1(25.73,9.59)
  In2.Cu w0.15: v1(25.93,23.25) 26.55,22.62 26.55,11.88 25.84,11.16 25.84,9.7 v1(25.73,9.59) ; v1(81.38,9.91) 81.64,10.16 81.64,12.47 80.39,13.72 80.39,15.65 v1(80.37,15.67)
  Bottom w0.15: v1(80.37,15.67) 80.37,16.37 80.82,16.83 ; v1(25.93,23.25) 25.72,23.04 25.72,22.16 26.24,21.63
/GH0: length 10.4
  In2.Cu w0.15: v1(68.43,15.6) 67.94,16.09 67.94,21.32 v1(66.47,22.78)
  Bottom w0.15: v1(66.47,22.78) 66.83,22.43 G1.1 ; v1(68.43,15.6) 69.04,15.6 69.47,16.03
